# Altium PCB VHDCI_Carrier.PCBDOC (part 7 of 7)
Units mm, origin at the board's own origin, x right, y up, seen from the top; angles counter-clockwise.
Board outline 159.99 x 100 mm, 4 copper layers (TopLayer, Internal Plane 1, Internal Plane 2, BottomLayer), stack 1.622 mm thick; 102 components, 174 nets, 718 pads, 375 vias.
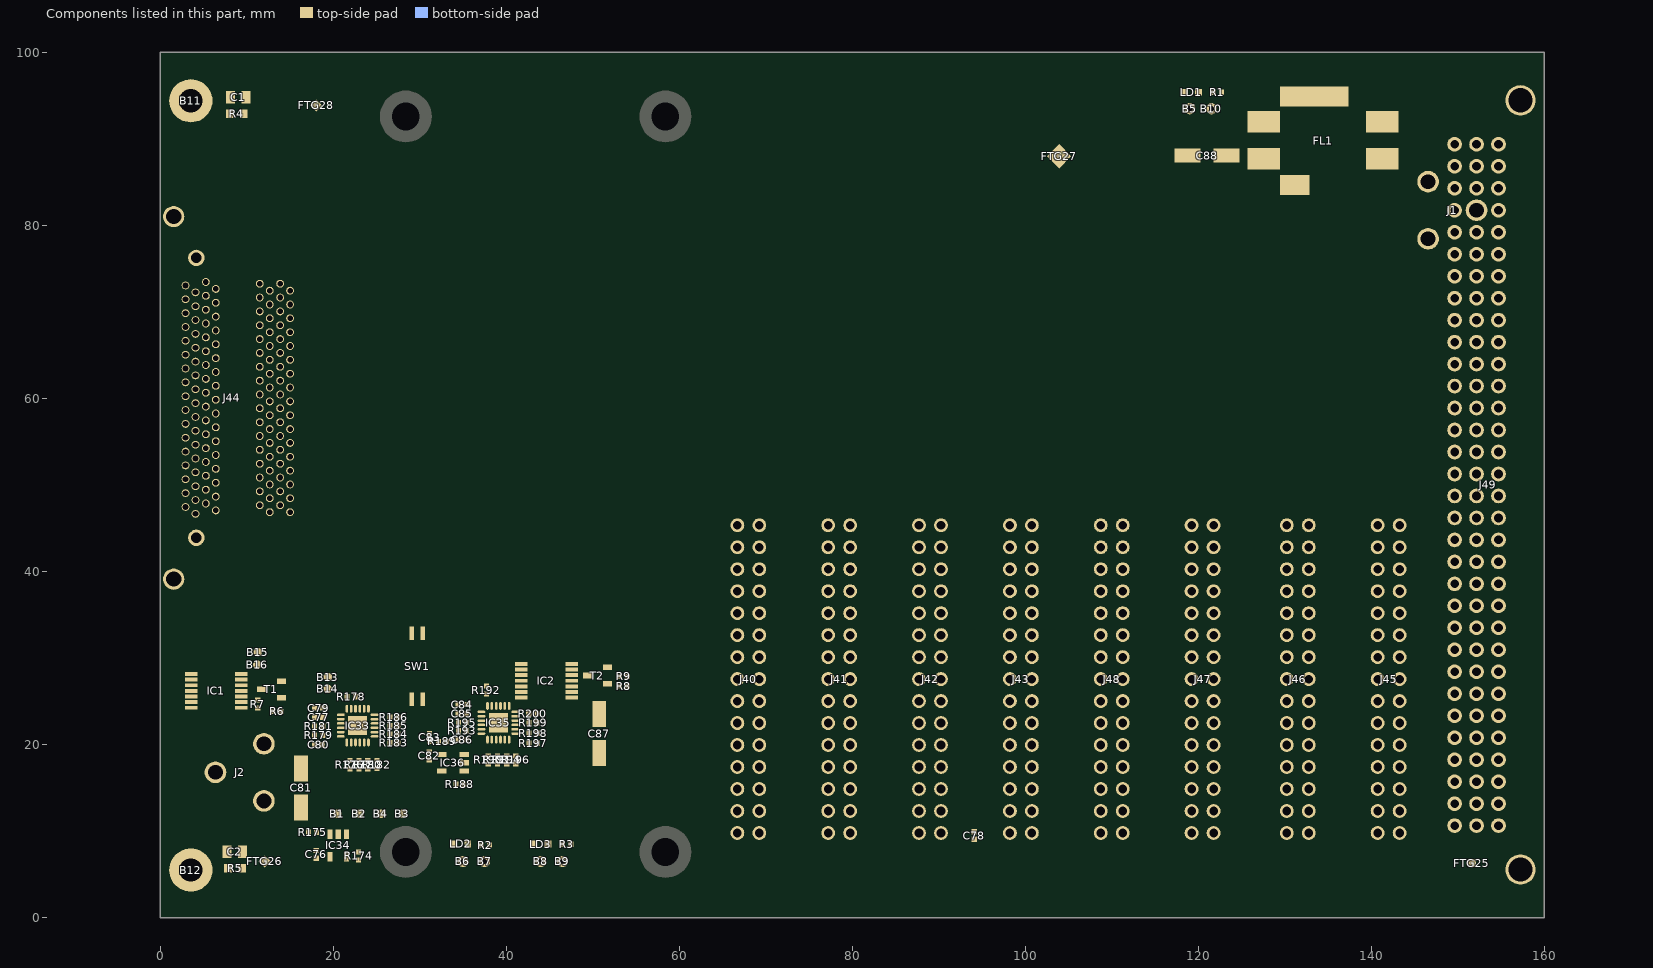
[diagram p9: the components of this part, seen from the top]

## Silkscreen, mask and mechanical layers (free items; w line width, h text height) (continued)
Mechanical1:
  drawing of 299 lines, arcs and shapes, not listed
  text "Layer" at 24.314,137.541 h1.52
  text "Name" at 34.725,137.541 h1.52
  text "Material" at 61.134,137.541 h1.52
  text "Thickness" at 82.972,137.541 h1.52
  text "Constant" at 99.478,137.541 h1.52
  text "Board Layer Stack" at 113.952,137.541 h1.52
  text "1" at 24.314,134.493 h1.52
  text "TopOverlay" at 34.725,134.493 h1.52
  text "2" at 24.314,131.445 h1.52
  text "TopSolder" at 34.725,131.445 h1.52
  text "Solder Resist" at 61.134,131.445 h1.52
  text "0,40mil" at 82.972,131.445 h1.52
  text "4,5" at 99.478,131.445 h1.52
  text "3" at 24.314,128.397 h1.52
  text "TopLayer" at 34.725,128.397 h1.52
  text "Copper" at 61.134,128.397 h1.52
  text "2,21mil" at 82.972,128.397 h1.52
  text "4" at 24.314,125.349 h1.52
  text "Dielectric1" at 34.725,125.349 h1.52
  text "FR-4" at 61.134,125.349 h1.52
  text "7,09mil" at 82.972,125.349 h1.52
  text "4,5" at 99.478,125.349 h1.52
  text "5" at 24.314,122.301 h1.52
  text "Internal Plane 1" at 34.725,122.301 h1.52
  text "Copper" at 61.134,122.301 h1.52
  text "1,38mil" at 82.972,122.301 h1.52
  text "6" at 24.314,119.253 h1.52
  text "Dielectric 10" at 34.725,119.253 h1.52
  text "42,52mil" at 82.972,119.253 h1.52
  text "4,5" at 99.478,119.253 h1.52
  text "7" at 24.314,116.205 h1.52
  text "Internal Plane 2" at 34.725,116.205 h1.52
  text "Copper" at 61.134,116.205 h1.52
  text "1,38mil" at 82.972,116.205 h1.52
  text "8" at 24.314,113.157 h1.52
  text "Dielectric9" at 34.725,113.157 h1.52
  text "FR-4" at 61.134,113.157 h1.52
  text "7,09mil" at 82.972,113.157 h1.52
  text "4,5" at 99.478,113.157 h1.52
  text "9" at 24.314,110.109 h1.52
  text "BottomLayer" at 34.725,110.109 h1.52
  text "Copper" at 61.134,110.109 h1.52
  text "2,21mil" at 82.972,110.109 h1.52
  text "10" at 24.314,107.061 h1.52
  text "BottomSolder" at 34.725,107.061 h1.52
  text "Solder Resist" at 61.134,107.061 h1.52
  text "0,40mil" at 82.972,107.061 h1.52
  text "4,5" at 99.478,107.061 h1.52
  text "11" at 24.314,104.013 h1.52
  text "BottomOverlay" at 34.725,104.013 h1.52
Mechanical8:
  lines w0.1: -5.055,-14.249 -5.055,114.935 ; -2.544,-16.862 -2.544,-0.038 -2.544,115.856

## Dimensions
3.556,-0.508 to 0,0 on Mechanical4
-0.508,5.512 to 0,0 on Mechanical4

## Text inside footprints (layer, text, board x,y; h text height)
J40: TopOverlay "30" at 70.652,10.431 h1.02 r270; Mechanical14 "30" at 70.652,10.431 h1.02 r270
J41: TopOverlay "30" at 81.152,10.431 h1.02 r270; Mechanical14 "30" at 81.152,10.431 h1.02 r270
J42: TopOverlay "30" at 91.652,10.431 h1.02 r270; Mechanical14 "30" at 91.652,10.431 h1.02 r270
J43: TopOverlay "30" at 102.152,10.431 h1.02 r270; Mechanical14 "30" at 102.152,10.431 h1.02 r270
J44: TopOverlay "UPPER" at 10.033,57.517 h1.2 r90; Mechanical14 "UPPER" at 10.033,57.517 h1.2 r90; Mechanical14 "LOWER" at 0.743,57.567 h1.2 r90
J45: TopOverlay "30" at 144.652,10.431 h1.02 r270; Mechanical14 "30" at 144.652,10.431 h1.02 r270
J46: TopOverlay "30" at 134.152,10.431 h1.02 r270; Mechanical14 "30" at 134.152,10.431 h1.02 r270
J47: TopOverlay "30" at 123.152,10.431 h1.02 r270; Mechanical14 "30" at 123.152,10.431 h1.02 r270
J48: TopOverlay "30" at 112.652,10.431 h1.02 r270; Mechanical14 "30" at 112.652,10.431 h1.02 r270
J49: TopOverlay "30" at 146.116,15.073 h1.2; TopOverlay "25" at 146.228,28.042 h1.2; TopOverlay "20" at 146.116,40.473 h1.2; TopOverlay "15" at 146.216,53.273 h1.2; TopOverlay "10" at 146.191,65.873 h1.2; TopOverlay "5" at 147.241,78.523 h1.2; TopOverlay "32" at 146.116,9.993 h1.2; TopOverlay "1" at 147.641,88.833 h1.2; TopOverlay "c" at 149.786,91.408 h1.2 r90; TopOverlay "b" at 151.936,91.463 h1.2 r90; TopOverlay "a" at 153.511,91.433 h1.2 r90; Mechanical14 "a" at 153.511,91.433 h1.2 r90; Mechanical14 "b" at 151.936,91.463 h1.2 r90; Mechanical14 "c" at 149.786,91.408 h1.2 r90; Mechanical14 "30" at 146.116,15.073 h1.2; Mechanical14 "25" at 146.116,27.773 h1.2; Mechanical14 "20" at 146.116,40.473 h1.2; Mechanical14 "15" at 146.216,53.273 h1.2; Mechanical14 "10" at 146.191,65.873 h1.2; Mechanical14 "5" at 147.241,78.523 h1.2; Mechanical14 "32" at 146.116,9.993 h1.2; Mechanical14 "1" at 147.641,88.833 h1.2; Mechanical14 "c" at 150.241,88.748 h1.2 r90; Mechanical14 "a" at 155.321,88.748 h1.2 r90; Mechanical8 "PCB" at 159.766,48.108 h1.2 r90
SW1: TopOverlay "1" at 28.827,26.772 h1; TopOverlay "2" at 30.097,26.772 h1; TopOverlay "ON" at 28.446,30.328 h1; Mechanical14 "1" at 28.827,26.782 h1; Mechanical14 "2" at 30.097,26.782 h1; Mechanical14 "ON" at 28.446,30.338 h1